# Altium PCB PCB1.PcbDoc (part 1 of 2)
Units mil, origin at the board's own origin, x right, y up, seen from the top; angles counter-clockwise.
Board outline 6000 x 4000 mil, 2 copper layers (Top Layer, Bottom Layer); 304 components, 325 nets, 1625 pads, 430 vias.
Unrouted connection lines stored in the file: 1086.
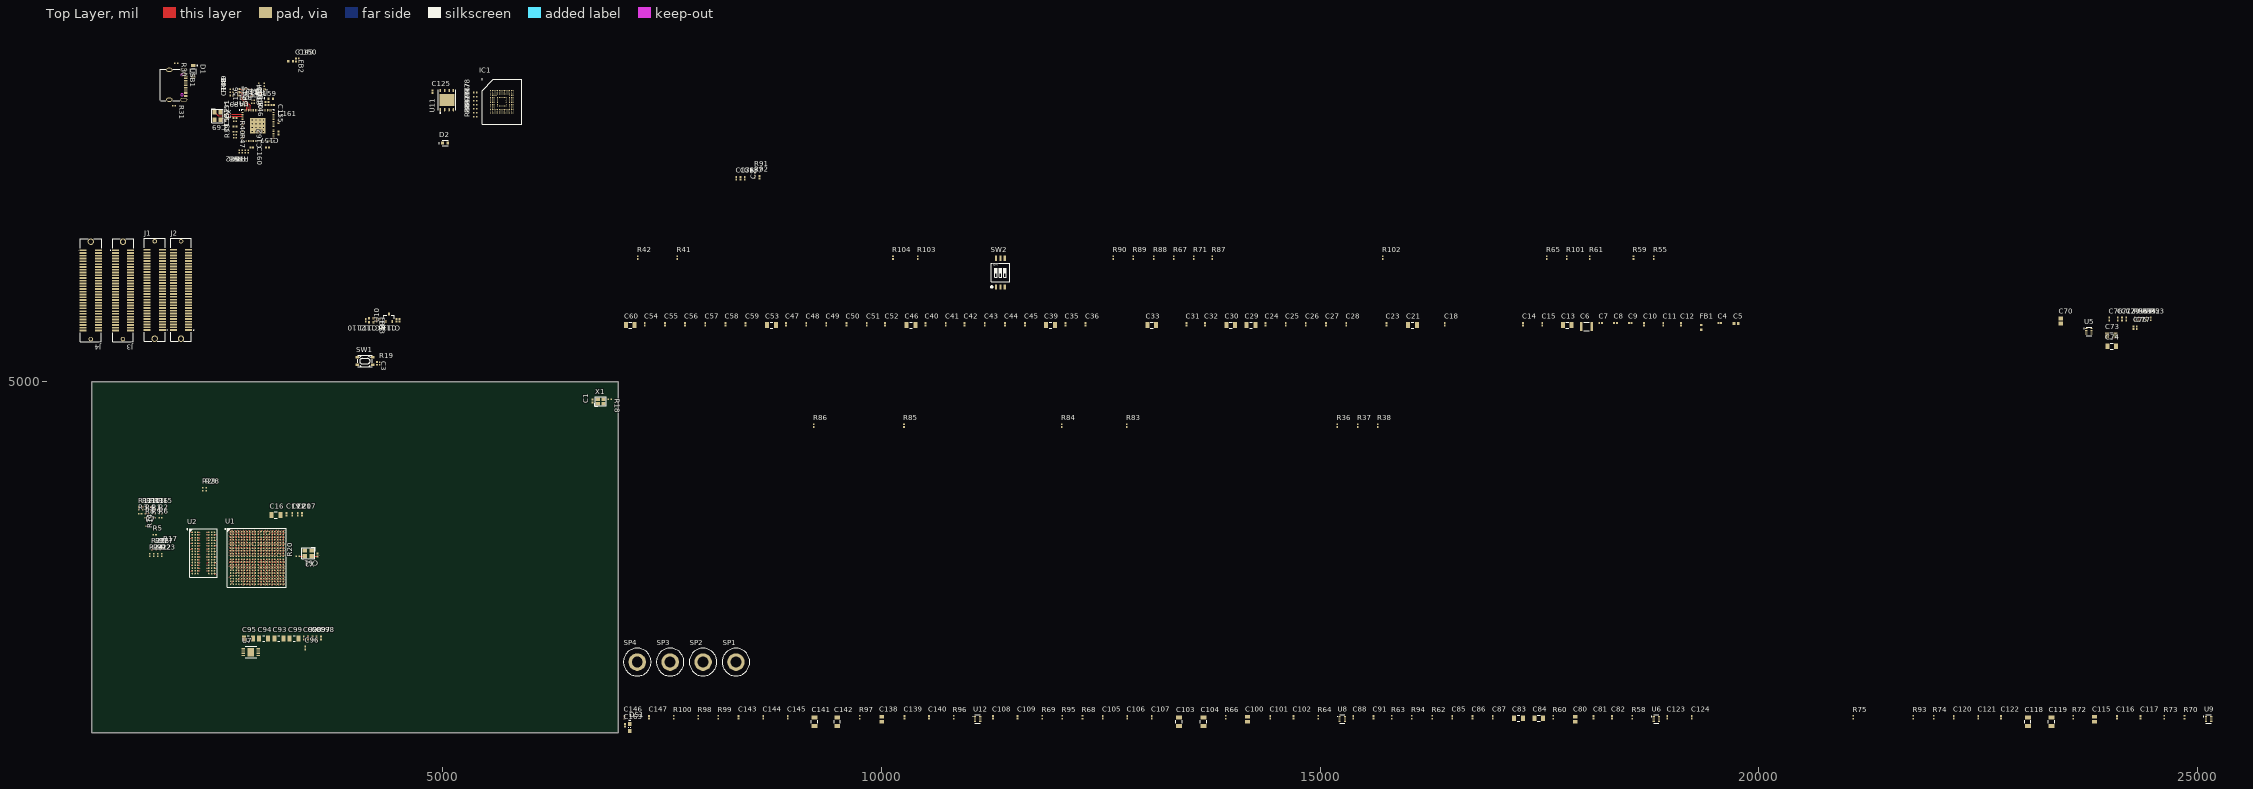
[diagram p0: Top Layer view]
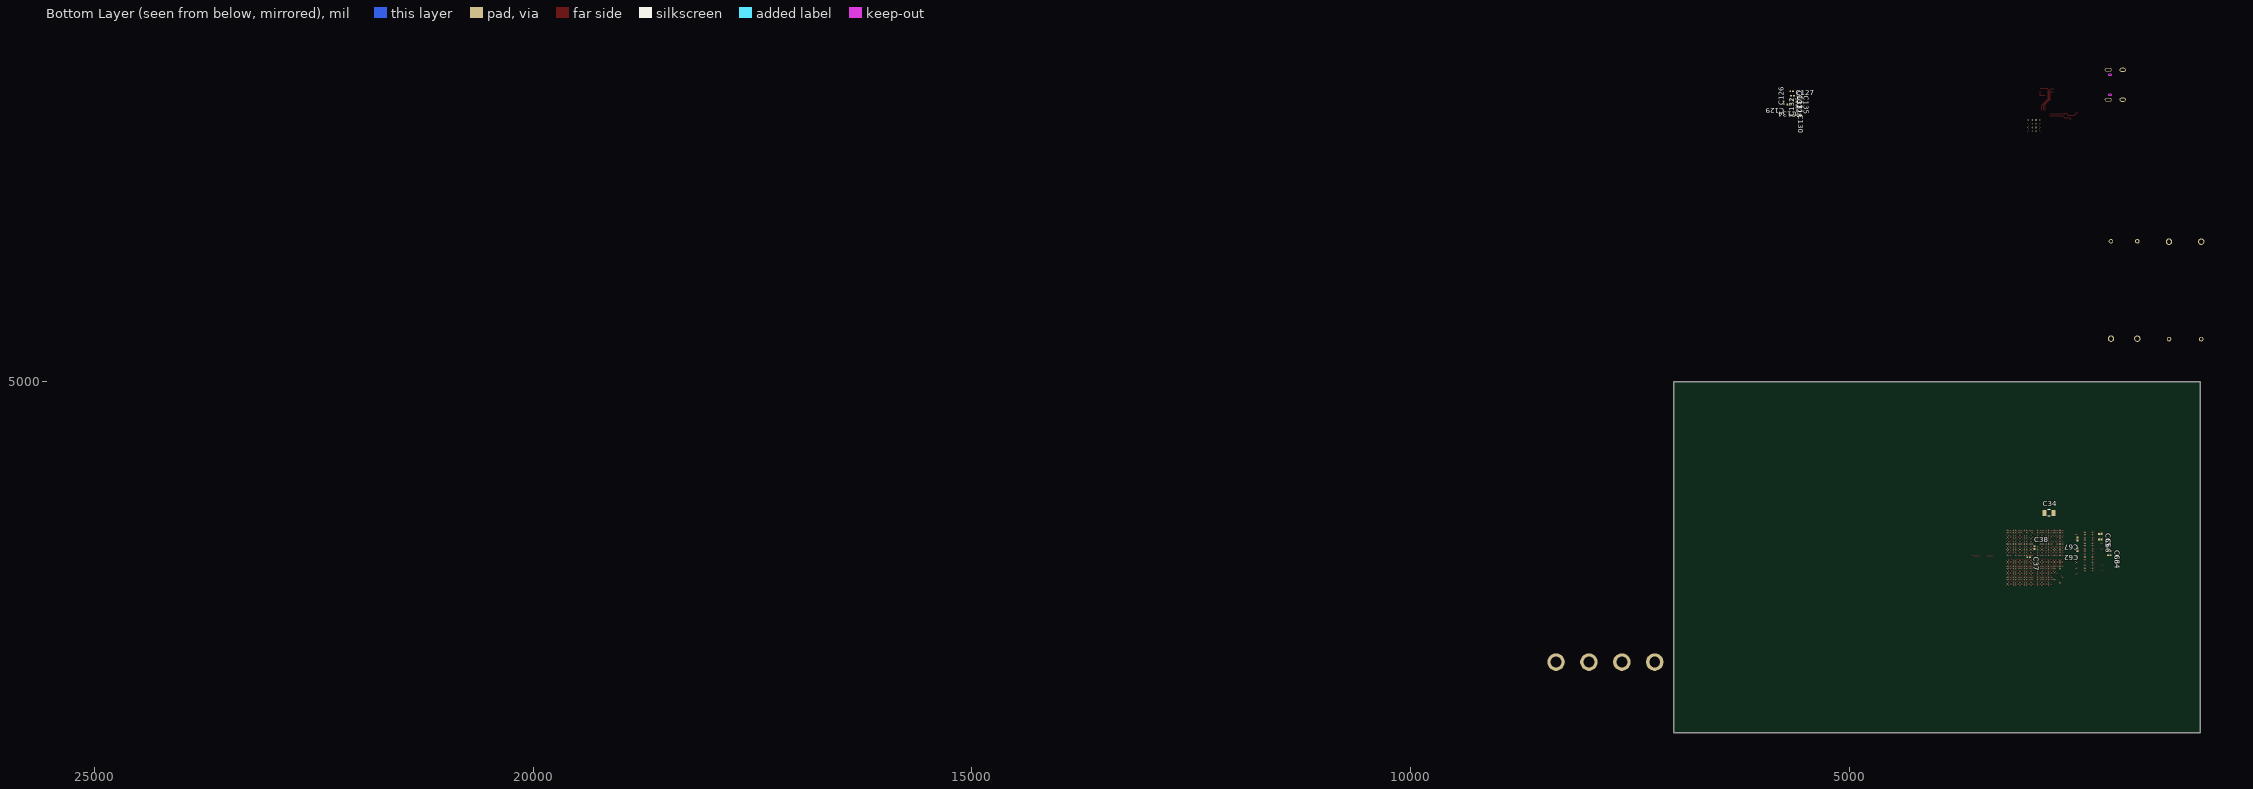
[diagram p1: Bottom Layer view, seen from below]

## Layer stack, top to bottom
Top Solder: solder mask 0.4, Solder Resist, Dk 3.5
Top Layer: signal copper 1.4
Dielectric 1: dielectric 12.6, FR-4, Dk 4.8
Bottom Layer: signal copper 1.4
Bottom Solder: solder mask 0.4, Solder Resist, Dk 3.5

## Board outline
1000,1000 7000,1000 7000,5000 1000,5000

## Design rules (kind name [scope] priority, off if disabled: settings)
AcuteAngle [All] p1: minimum=4.50000000000000E+0001 checktracksonly=FALSE
AssemblyTestPointUsage [All] p1: valid=2
BackDrilling [All] p1: maxstublength=15 usetopbackdrill=TRUE usebottombackdrill=TRUE holeoversize=1 holetolplus=0 holetolminus=0
BoardOutlineClearance [All] p1: gap=12 ignorepadtopadclearanceinfootprint=FALSE
Clearance Clearance_1 [All vs WithinRoom('7020')] p1: gap=4 ignorepadtopadclearanceinfootprint=TRUE
Clearance Clearance_2 [All vs WithinRoom('DDR3L')] p2: gap=4 ignorepadtopadclearanceinfootprint=TRUE
Clearance [All] p3: gap=4 ignorepadtopadclearanceinfootprint=TRUE except(6: SMDPad-Via THPad-Via; 10.2: Via-Via; 12: Fill-Fill Fill-Poly Fill-Region Poly-Poly Poly-Region Region-Region)
ComponentOrientations [All] p1: allowedrotations=32
DiffPairsRouting USB2.0 [InDifferentialPairClass('USB2.0')] p1: maxlimit=5 minlimit=5 mostfreqgap=5 toplayer_minwidth=5.1 toplayer_maxwidth=5.1 toplayer_prefwidth=5.1 bottomlayer_minwidth=5.1 bottomlayer_maxwidth=5.1 bottomlayer_prefwidth=5.1 maxuncoupledlength=500
DiffPairsRouting USB3.0 [InDifferentialPairClass('USB3.0')] p2: maxlimit=5 minlimit=5 mostfreqgap=5 toplayer_minwidth=5.1 toplayer_maxwidth=5.1 toplayer_prefwidth=5.1 bottomlayer_minwidth=5.1 bottomlayer_maxwidth=5.1 bottomlayer_prefwidth=5.1 maxuncoupledlength=500
FabricationTestPointUsage [All] p1: valid=2 allowmultiple=FALSE
HoleSize [All] p1: absolutevalues=TRUE maxlimit=120 minlimit=10 maxpercent=80.000 minpercent=20.000
Length [All] p1: maxlimit=100000 minlimit=0
MatchedLengths USB3.2_Port4 [InxSignalClass('USB3.2_Port4')] p1: tolerance=5 checknetsindiffpair=TRUE checkdiffpairvsdiffpair=FALSE checkxsignals=FALSE checkothers=FALSE
MatchedLengths USB3.2_Port3 [InxSignalClass('USB3.2_Port3')] p2: tolerance=5 checknetsindiffpair=TRUE checkdiffpairvsdiffpair=FALSE checkxsignals=FALSE checkothers=FALSE
MatchedLengths USB3.2_Port2 [InxSignalClass('USB3.2_Port2')] p3: tolerance=5 checknetsindiffpair=TRUE checkdiffpairvsdiffpair=FALSE checkxsignals=FALSE checkothers=FALSE
MatchedLengths USB3.2_Port1 [InxSignalClass('USB3.2_Port1')] p4: tolerance=5 checknetsindiffpair=TRUE checkdiffpairvsdiffpair=FALSE checkxsignals=FALSE checkothers=FALSE
MatchedLengths USB_UpPort [InxSignalClass('USB_UpPort')] p5: tolerance=5 checknetsindiffpair=TRUE checkdiffpairvsdiffpair=FALSE checkxsignals=FALSE checkothers=FALSE
MaximumViaCount [All] p1: limit=1000
MinimumAnnularRing [All] p1: minimumring=2
MinimumSolderMaskSliver [InPadClass('All Pads')] p1: minsoldermaskwidth=3.2
ParallelSegment [All] p1: limit=10000 gap=10
PermittedLayers [All] p1: toplayerpermitted=TRUE bottomlayerpermitted=TRUE
PlaneClearance [All] p1: clearance=10
PlaneConnect [All] p1: planeconnectstyle=Direct reliefexpansion=20 reliefentries=4 reliefconductorwidth=10 reliefairgap=10
PolygonConnect GND_PolygonConnect [All vs InPadClass('GND')] p1: thpad.connectstyle=Direct thpad.reliefconductorwidth=10 thpad.reliefentries=4 thpad.polygonreliefangle="90 Angle" thpad.airgapwidth=10 smdpad.connectstyle=Relief smdpad.reliefconductorwidth=20 smdpad.reliefentries=4 smdpad.polygonreliefangle="90 Angle" smdpad.airgapwidth=10 via.connectstyle=Direct via.reliefconductorwidth=10 via.reliefentries=4 via.polygonreliefangle="90 Angle" via.airgapwidth=10
PolygonConnect [All] p2: connectstyle=Direct reliefconductorwidth=10 reliefentries=4 polygonreliefangle="90 Angle" airgapwidth=10
ReturnPath [All] p1: _gaplimit=10
RoutingVias [All] p1: holewidth=11.81 width=17.72 viastyle="Through Hole" minholewidth=11.81 minwidth=17.72 maxholewidth=11.81 maxwidth=17.72
SMDToCorner [All] p1: distance=0
SilkToSilkClearance [All] p1: silktosilkclearance=0
SilkToSolderMaskClearance [IsPad] p1: minsilkscreentomaskgap=0 clearancetoexposedcopper=TRUE
SolderMaskExpansion [IsVia] p1: expansion=0 istentingtop=TRUE
StubLength [All] p1: limit=1000
UnRoutedNet [All] p1: checkbadconnections=TRUE
ViasUnderSMD [All] p1: allowed=TRUE
Width Singal [All] p1: maxlimit=30 minlimit=4 preferedwidth=6
20 further rules are at their usual default settings.

## Classes and differential pairs
net class PWR: 0V675 1V0 1V8 1V8PLL 1V35 3V3 3V3_VP 5V0 +12 FT2232_1V8 VBUS VREF0V9 XADC1V8 XADCGND XADCVREF
component class ZYNQ-PS: C1 C2 C3 C78 C125 C126 C127 C128 C129 C130 C131 C132 C133 C134 C135 C136 C137 D2 IC1 R18 R19 R41 R42 R55 R59 R61 R65 R67 R71 R76 R77 R78 R79 R80 R81 R82 R87 R88 R89 R90 R91 R92 R101 R102 R103 R104 SW1 SW2 U11 X1
component class ZYNQ-Power: C4 C5 C6 C7 C8 C9 C10 C11 C12 C13 C14 C15 C16 C17 C18 C19 C20 C21 C22 C23 C24 C25 C26 C27 C28 C29 C30 C31 C32 C33 C34 C35 C36 C37 C38 C39 C40 C41 C42 C43 C44 C45 C46 C47 C48 C49 C50 C51 C52 C53 C54 C55 C56 C57 C58 C59 C60 C163 FB1
component class ZYNQ-PL: C61 R20 U1 X2
component class ZYNQ-JTAG: C68 C69 C148 C149 C150 C151 C152 C153 C154 C155 C156 C157 C158 C159 C160 C161 C162 D1 D3 D4 DS1 FB2 FB5 R30 R31 R32 R33 R34 R35 R36 R37 R38 R39 R40 R43 R44 R45 R46 R47 R48 R49 R50 R51 R83 R84 R85 R86 U3 U4 USB1 X3
component class ZYNQ-DDR3L: C62 C63 C64 C65 C66 C67 R1 R2 R3 R4 R5 R6 R7 R8 R9 R10 R11 R12 R13 R14 R15 R16 R17 R21 R22 R23 R24 R25 R26 R27 R28 R29 U2
component class ZYNQ-Connecters: J1 J2 J3 J4
component class Others: SP1 SP2 SP3 SP4
component class Board-Power: C70 C71 C72 C73 C74 C75 C76 C77 C79 C80 C81 C82 C83 C84 C85 C86 C87 C88 C89 C90 C91 C92 C93 C94 C95 C96 C97 C98 C99 C100 C101 C102 C103 C104 C105 C106 C107 C108 C109 C110 C111 C112 C113 C114 C115 C116 C117 C118 C119 C120 C121 C122 C123 C124 C138 C139 C140 C141 C142 C143 C144 C145 C146 C147 FB3 FB4 L1 L2 L3 L4 L5 R52 R53 R54 R56 R57 R58 R60 R62 R63 R64 R66 R68 R69 R70 R72 R73 R74 R75 R93 R94 R95 R96 R97 R98 R99 R100 U5 U6 U7 U8 U9 U10 U12

## Components (designator, comment, footprint, x,y, rotation, side; value= is the part's Value field where it differs from the comment)
C1 "100nF" CAPC1005X55X25LL05T10 6705,4780 r90 top
C2 "100nF" CAPC1005X55X25LL05T10 8610,7330 r90 top
C3 "100nF" CAPC1005X55X25LL05T10 4248.95,5208.91 r270 top
C4 "0.47uF" FP-0201-L_0_6_0_09-W_0_3-IPC_A 19555,5670 r0 top value=470nF
C5 "10uF" CAPC1608X90X35LL10T15 19740,5665 r0 top
C6 "330uF" CAPC3225X270X30LL30 18035,5630 r0 top
C7 "4.7uF" CAPC1005X55X25LL05T10 18195,5670 r0 top
C8 "4.7uF" CAPC1005X55X25LL05T10 18365,5670 r0 top
C9 "0.47uF" FP-0201-L_0_6_0_09-W_0_3-IPC_A 18535,5670 r0 top value=470nF
C10 "0.47uF" FP-0201-L_0_6_0_09-W_0_3-IPC_A 18690,5655 r90 top value=470nF
C11 "0.47uF" FP-0201-L_0_6_0_09-W_0_3-IPC_A 18910,5655 r90 top value=470nF
C12 "0.47uF" FP-0201-L_0_6_0_09-W_0_3-IPC_A 19110,5655 r90 top value=470nF
C13 "47uF" FP-GCM31C-0_2-e0_3_0_8-IPC_C 17815,5645 r0 top
C14 "0.47uF" FP-0201-L_0_6_0_09-W_0_3-IPC_A 17310,5655 r90 top value=470nF
C15 "4.7uF" CAPC1005X55X25LL05T10 17530,5655 r90 top
C16 "100uF" FP-GCM31C-0_2-e0_3_0_8-IPC_C 3095.83,3481.69 r0 top
C17 "4.7uF" CAPC1005X55X25LL05T10 3395,3490 r90 top
C18 "0.47uF" FP-0201-L_0_6_0_09-W_0_3-IPC_A 16420,5655 r90 top value=470nF
C19 "0.47uF" FP-0201-L_0_6_0_09-W_0_3-IPC_A 3218.38,3487.53 r90 top value=470nF
C20 "0.47uF" FP-0201-L_0_6_0_09-W_0_3-IPC_A 3345.26,3487.53 r90 top value=470nF
C21 "100uF" FP-GCM31C-0_2-e0_3_0_8-IPC_C 16050,5645 r0 top
C22 "0.47uF" FP-0201-L_0_6_0_09-W_0_3-IPC_A 3281.82,3487.53 r90 top value=470nF
C23 "0.47uF" CAPC1005X55X25LL05T10 15755,5655 r90 top
C24 "0.47uF" FP-0201-L_0_6_0_09-W_0_3-IPC_A 14375,5655 r90 top value=470nF
C25 "0.47uF" FP-0201-L_0_6_0_09-W_0_3-IPC_A 14605,5655 r90 top value=470nF
C26 "0.47uF" FP-0201-L_0_6_0_09-W_0_3-IPC_A 14835,5655 r90 top value=470nF
C27 "0.47uF" FP-0201-L_0_6_0_09-W_0_3-IPC_A 15065,5655 r90 top value=470nF
C28 "4.7uF" CAPC1005X55X25LL05T10 15295,5655 r90 top
C29 "100uF" FP-GCM31C-0_2-e0_3_0_8-IPC_C 14210,5645 r0 top
C30 "100uF" FP-GCM31C-0_2-e0_3_0_8-IPC_C 13980,5645 r0 top
C31 "0.47uF" FP-0201-L_0_6_0_09-W_0_3-IPC_A 13475,5655 r90 top value=470nF
C32 "4.7uF" CAPC1005X55X25LL05T10 13685,5655 r90 top
C33 "100uF" FP-GCM31C-0_2-e0_3_0_8-IPC_C 13080,5645 r0 top
C34 "100uF" FP-GCM31C-0_2-e0_3_0_8-IPC_C 2720,3505 r180 bottom
C35 "0.47uF" FP-0201-L_0_6_0_09-W_0_3-IPC_A 12095,5655 r90 top value=470nF
C36 "4.7uF" CAPC1005X55X25LL05T10 12325,5655 r90 top
C37 "0.47uF" FP-0201-L_0_6_0_09-W_0_3-IPC_A 2955,3000 r180 bottom value=470nF
C38 "4.7uF" CAPC1005X55X25LL05T10 2885,3110 r90 bottom
C39 "47uF" FP-GCM31C-0_2-e0_3_0_8-IPC_C 11925,5645 r0 top
C40 "0.47uF" FP-0201-L_0_6_0_09-W_0_3-IPC_A 10500,5655 r90 top value=470nF
C41 "0.47uF" FP-0201-L_0_6_0_09-W_0_3-IPC_A 10730,5655 r90 top value=470nF
C42 "0.47uF" FP-0201-L_0_6_0_09-W_0_3-IPC_A 10945,5655 r90 top value=470nF
C43 "0.47uF" FP-0201-L_0_6_0_09-W_0_3-IPC_A 11175,5655 r90 top value=470nF
C44 "4.7uF" CAPC1005X55X25LL05T10 11405,5655 r90 top
C45 "4.7uF" CAPC1005X55X25LL05T10 11635,5655 r90 top
C46 "100uF" FP-GCM31C-0_2-e0_3_0_8-IPC_C 10335,5645 r0 top
C47 "0.47uF" FP-0201-L_0_6_0_09-W_0_3-IPC_A 8910,5655 r90 top value=470nF
C48 "0.47uF" FP-0201-L_0_6_0_09-W_0_3-IPC_A 9140,5655 r90 top value=470nF
C49 "0.47uF" FP-0201-L_0_6_0_09-W_0_3-IPC_A 9370,5655 r90 top value=470nF
C50 "0.47uF" FP-0201-L_0_6_0_09-W_0_3-IPC_A 9600,5655 r90 top value=470nF
C51 "4.7uF" CAPC1005X55X25LL05T10 9830,5655 r90 top
C52 "4.7uF" CAPC1005X55X25LL05T10 10040,5655 r90 top
C53 "100uF" FP-GCM31C-0_2-e0_3_0_8-IPC_C 8745,5645 r0 top
C54 "0.47uF" FP-0201-L_0_6_0_09-W_0_3-IPC_A 7300,5655 r90 top value=470nF
C55 "0.47uF" FP-0201-L_0_6_0_09-W_0_3-IPC_A 7530,5655 r90 top value=470nF
C56 "0.47uF" FP-0201-L_0_6_0_09-W_0_3-IPC_A 7760,5655 r90 top value=470nF
C57 "0.47uF" FP-0201-L_0_6_0_09-W_0_3-IPC_A 7990,5655 r90 top value=470nF
C58 "4.7uF" CAPC1005X55X25LL05T10 8220,5655 r90 top
C59 "4.7uF" CAPC1005X55X25LL05T10 8450,5655 r90 top
C60 "100uF" FP-GCM31C-0_2-e0_3_0_8-IPC_C 7135,5645 r0 top
C61 "100nF" CAPC1005X55X25LL05T10 3570,3025 r270 top
C62 "100nF" CAPC1005X55X25LL05T10 2395,3085 r270 bottom
C63 "100nF" CAPC1005X55X25LL05T10 2034.65,3071.11 r180 bottom
C64 "100nF" CAPC1005X55X25LL05T10 2034.65,3022.64 r180 bottom
C65 "100nF" CAPC1005X55X25LL05T10 2137.03,3265.32 r180 bottom
C66 "100nF" CAPC1005X55X25LL05T10 2137.03,3202.92 r180 bottom
C67 "100nF" CAPC1005X55X25LL05T10 2396.78,3207.04 r270 bottom
C68 "10pF" CAPC1005X55X25LL05T10 2521.54,8068.66 r90 top
C69 "10pF" CAPC1005X55X25LL05T10 2521.54,7988.66 r270 top
C70 "22uF" CAPC2013X145X45LL20T25 23440.57,5691.79 r90 top
C71 "100nF" CAPC1005X55X25LL05T10 24088.5,5714.62 r90 top
C72 "1uF" CAPC1005X55X25LL05T10 24136.97,5714.62 r90 top
C73 "22uF" FP-GCM31C-0_2-e0_3_0_8-IPC_C 24015,5525 r0 top
C74 "22uF" FP-GCM31C-0_2-e0_3_0_8-IPC_C 24020,5405 r0 top
C75 "10pF" CAPC1005X55X25LL05T10 24270,5615 r90 top
C76 "100nF" CAPC1005X55X25LL05T10 23991.55,5714.62 r90 top
C77 "100nF" CAPC1005X55X25LL05T10 24305,5615 r90 top
C78 "4.7uF" CAPC1005X55X25LL05T10 8392.71,7319.62 r90 top
C79 "6.8nF" CAPC1005X55X25LL05T10 24185.44,5714.62 r90 top
C80 "22uF" CAPC2013X145X45LL20T25 17905,1155 r90 top
C81 "100nF" CAPC1005X55X25LL05T10 18115,1175 r90 top
C82 "1uF" CAPC1005X55X25LL05T10 18325,1175 r90 top
C83 "22uF" FP-GCM31C-0_2-e0_3_0_8-IPC_C 17260,1165 r0 top
C84 "22uF" FP-GCM31C-0_2-e0_3_0_8-IPC_C 17490,1165 r0 top
C85 "10pF" CAPC1005X55X25LL05T10 16505,1175 r90 top
C86 "100nF" CAPC1005X55X25LL05T10 16735,1175 r90 top
C87 "100nF" CAPC1005X55X25LL05T10 16965,1175 r90 top
C88 "1nF" CAPC1005X55X25LL05T10 15375,1175 r90 top
C89 "4.7uF" CAPC1005X55X25LL05T10 3511.86,2079.62 r90 top
C90 "100nF" CAPC1005X55X25LL05T10 3463.39,2079.62 r90 top
C91 "6.8nF" CAPC1005X55X25LL05T10 15605,1175 r90 top
C92 "100nF" CAPC1005X55X25LL05T10 3414.91,2079.62 r90 top
C93 "10uF" MURA-1206_H_1.8_L 3130.17,2072.54 r0 top
C94 "10uF" MURA-1206_H_1.8_L 2956.5,2072.54 r0 top
C95 "10uF" MURA-1206_H_1.8_L 2782.83,2072.54 r0 top
C96 "100nF" CAPC1005X55X25LL05T10 3430,1965 r90 top
C97 "100nF" CAPC1005X55X25LL05T10 3560.33,2079.62 r90 top
C98 "100nF" CAPC1005X55X25LL05T10 3608.8,2079.62 r90 top
C99 "10uF" MURA-1206_H_1.8_L 3303.84,2072.54 r0 top
C100 "22uF" CAPC2013X145X45LL20T25 14170,1155 r90 top
C101 "100nF" CAPC1005X55X25LL05T10 14430,1175 r90 top
C102 "1uF" CAPC1005X55X25LL05T10 14695,1175 r90 top
C103 "22uF" FP-GCM31C-0_2-e0_3_0_8-IPC_C 13390,1125 r90 top
C104 "22uF" FP-GCM31C-0_2-e0_3_0_8-IPC_C 13670,1125 r90 top
C105 "10pF" CAPC1005X55X25LL05T10 12520,1175 r90 top
C106 "100nF" CAPC1005X55X25LL05T10 12800,1175 r90 top
C107 "100nF" CAPC1005X55X25LL05T10 13080,1175 r90 top
C108 "1nF" CAPC1005X55X25LL05T10 11270,1175 r90 top
C109 "6.8nF" CAPC1005X55X25LL05T10 11550,1175 r90 top
C110 "1uF" CAPC1005X55X25LL05T10 4120,5700 r270 top
C111 "1uF" CAPC1005X55X25LL05T10 4245,5700 r270 top
C112 "100nF" CAPC1005X55X25LL05T10 4280,5700 r270 top
C113 "100nF" CAPC1005X55X25LL05T10 4470,5700.35 r270 top
C114 "1uF" CAPC1005X55X25LL05T10 4505,5700.35 r270 top
C115 "22uF" CAPC2013X145X45LL20T25 23825,1155 r90 top
C116 "100nF" CAPC1005X55X25LL05T10 24080,1175 r90 top
C117 "1uF" CAPC1005X55X25LL05T10 24350,1175 r90 top
C118 "22uF" FP-GCM31C-0_2-e0_3_0_8-IPC_C 23065,1125 r90 top
C119 "22uF" FP-GCM31C-0_2-e0_3_0_8-IPC_C 23335,1125 r90 top
C120 "10pF" CAPC1005X55X25LL05T10 22220,1175 r90 top
C121 "100nF" CAPC1005X55X25LL05T10 22500,1175 r90 top
C122 "100nF" CAPC1005X55X25LL05T10 22760,1175 r90 top
C123 "1nF" CAPC1005X55X25LL05T10 18955,1175 r90 top
C124 "6.8nF" CAPC1005X55X25LL05T10 19235,1175 r90 top
C125 "100nF" CAPC1005X55X25LL05T10 4880,8305 r90 top
C126 "100nF" CAPC1005X55X25LL05T10 5685,8160 r0 bottom
C127 "100nF" CAPC1005X55X25LL05T10 5600.35,8205 r90 bottom
C128 "100nF" CAPC1005X55X25LL05T10 5660.35,8215 r180 bottom
C129 "10uF" CAPC1005X55X25LL05T10 5745.35,8180.35 r270 bottom
C130 "100nF" CAPC1005X55X25LL05T10 5640.35,8035 r180 bottom
C131 "100nF" CAPC1005X55X25LL05T10 5645.35,8260 r180 bottom
C132 "100nF" CAPC1005X55X25LL05T10 5565,8035 r0 bottom
C133 "10uF" CAPC1005X55X25LL05T10 5655.35,8310 r180 bottom
C134 "100nF" CAPC1005X55X25LL05T10 5600.35,8140 r270 bottom
C135 "10uF" CAPC1005X55X25LL05T10 5580.71,8255 r180 bottom
C136 "100nF" CAPC1005X55X25LL05T10 8344.24,7319.62 r90 top
C137 "4.7uF" CAPC1005X55X25LL05T10 8441.18,7319.62 r90 top
C138 "22uF" CAPC2013X145X45LL20T25 10000,1155 r90 top
C139 "100nF" CAPC1005X55X25LL05T10 10260,1175 r90 top
C140 "1uF" CAPC1005X55X25LL05T10 10540,1175 r90 top
C141 "22uF" FP-GCM31C-0_2-e0_3_0_8-IPC_C 9235,1125 r90 top
C142 "22uF" FP-GCM31C-0_2-e0_3_0_8-IPC_C 9495,1125 r90 top
C143 "10pF" CAPC1005X55X25LL05T10 8370,1175 r90 top
C144 "100nF" CAPC1005X55X25LL05T10 8650,1175 r90 top
C145 "100nF" CAPC1005X55X25LL05T10 8930,1175 r90 top
C146 "1nF" CAPC1005X55X25LL05T10 7070,1175 r90 top
C147 "6.8nF" CAPC1005X55X25LL05T10 7350,1175 r90 top
C148 "100nF" CAPC1005X55X25LL05T10 2591.35,8262.09 r180 top
C149 "100nF" CAPC1005X55X25LL05T10 3324.58,8666.5 r90 top
C150 "4.7uF" CAPC1005X55X25LL05T10 3357.85,8666.5 r90 top
C151 "100nF" CAPC1005X55X25LL05T10 2630,8005 r180 top
C152 "4.7uF" CAPC1005X55X25LL05T10 2630,7910 r180 top
C153 "100nF" CAPC1005X55X25LL05T10 2995.47,8155 r180 top
C154 "4.7uF" CAPC1005X55X25LL05T10 2995.47,8188.54 r180 top
C155 "4.7uF" CAPC1005X55X25LL05T10 3060.35,8155 r0 top
C156 "100nF" CAPC1005X55X25LL05T10 2729.65,8150 r180 top
C157 "100nF" CAPC1005X55X25LL05T10 3125,7835 r270 top
C158 "100nF" CAPC1005X55X25LL05T10 2630,7850 r180 top
C159 "100nF" CAPC1005X55X25LL05T10 2895,8190.35 r90 top
C160 "100nF" CAPC1005X55X25LL05T10 2820,7670 r0 top
C161 "100nF" CAPC1005X55X25LL05T10 3125,7965.35 r90 top
C162 "100nF" CAPC1005X55X25LL05T10 3000,7670 r180 top
C163 "0.47uF" FP-0201-L_0_6_0_09-W_0_3-IPC_A 7075,1085 r90 top value=470nF
D1 "MBR230LSFT1G" ONSC-SOD-123FL-2-498-01_V 2155,8539.37 r270 top
D2 "LTST-C191TBKT" FP-LTST-C191TBKT-MFG 5025,7720 r0 top
D3 "LTST-C191KRKT" FP-LTST-C191KRKT-MFG 2965,8299.53 r90 top
D4 "LTST-C191KRKT" FP-LTST-C191KRKT-MFG 2903.12,8299.53 r90 top
DS1 "LTST-S270KGKT" LTST-LTST-S270KGKT-2_V 7130,1060 r90 top
FB1 "BLM18SG121TN1D" MURA-BLM18SG-B40-CHIP-2_V6 19340,5620 r90 top
FB2 "BLM18SG121TN1D" MURA-BLM18SG-B40-CHIP-2_V6 3263.34,8654.68 r0 top
FB3 "BLM18SG121TN1D" MURA-BLM18SG-B40-CHIP-2_V6 4182.92,5680.04 r0 top
FB4 "BLM18SG121TN1D" MURA-BLM18SG-B40-CHIP-2_V6 4182.92,5721.63 r0 top
FB5 "BLM18SG121TN1D" MURA-BLM18SG-B40-CHIP-2_V6 3037.4,8225.93 r180 top
IC1 "THGBMNG5D1LBAIL" BGA153C50P14X14_1150X1300X80 5672.4,8191.42 r0 top
J1 "1-5177983-2" 5177983-2 1715,6046.2 r90 top
J2 "1-5177983-2" 5177983-2 2015,6046.2 r90 top
J3 "1-5177983-2" 5177983-2 1353.39,6041.22 r270 top
J4 "1-5177983-2" 5177983-2 986.61,6041.22 r270 top
R1 "40R2" RESC1005X40X25LL05T05 1703.03,3494.93 r0 top
R2 "40R2" RESC1005X40X25LL05T05 1780.24,3494.93 r0 top
R3 "40R2" RESC1005X40X25LL05T05 1548.61,3494.93 r0 top
R4 "40R2" RESC1005X40X25LL05T05 1625.82,3494.93 r0 top
R5 "40R2" RESC1005X40X25LL05T05 1714.25,3255 r0 top
R6 "40R2" RESC1005X40X25LL05T05 1780.24,3449.21 r0 top
R7 "40R2" RESC1005X40X25LL05T05 1635,3355 r0 top